# Altium PCB mitosis.PcbDoc (part 2 of 3)
Units mm, origin at the board's own origin, x right, y up, seen from the top; angles counter-clockwise.
Board outline 134.15 x 115.33 mm, 2 copper layers (Top Layer, Bottom Layer), stack 1.671 mm thick; 32 components, 34 nets, 456 pads, 4 vias.
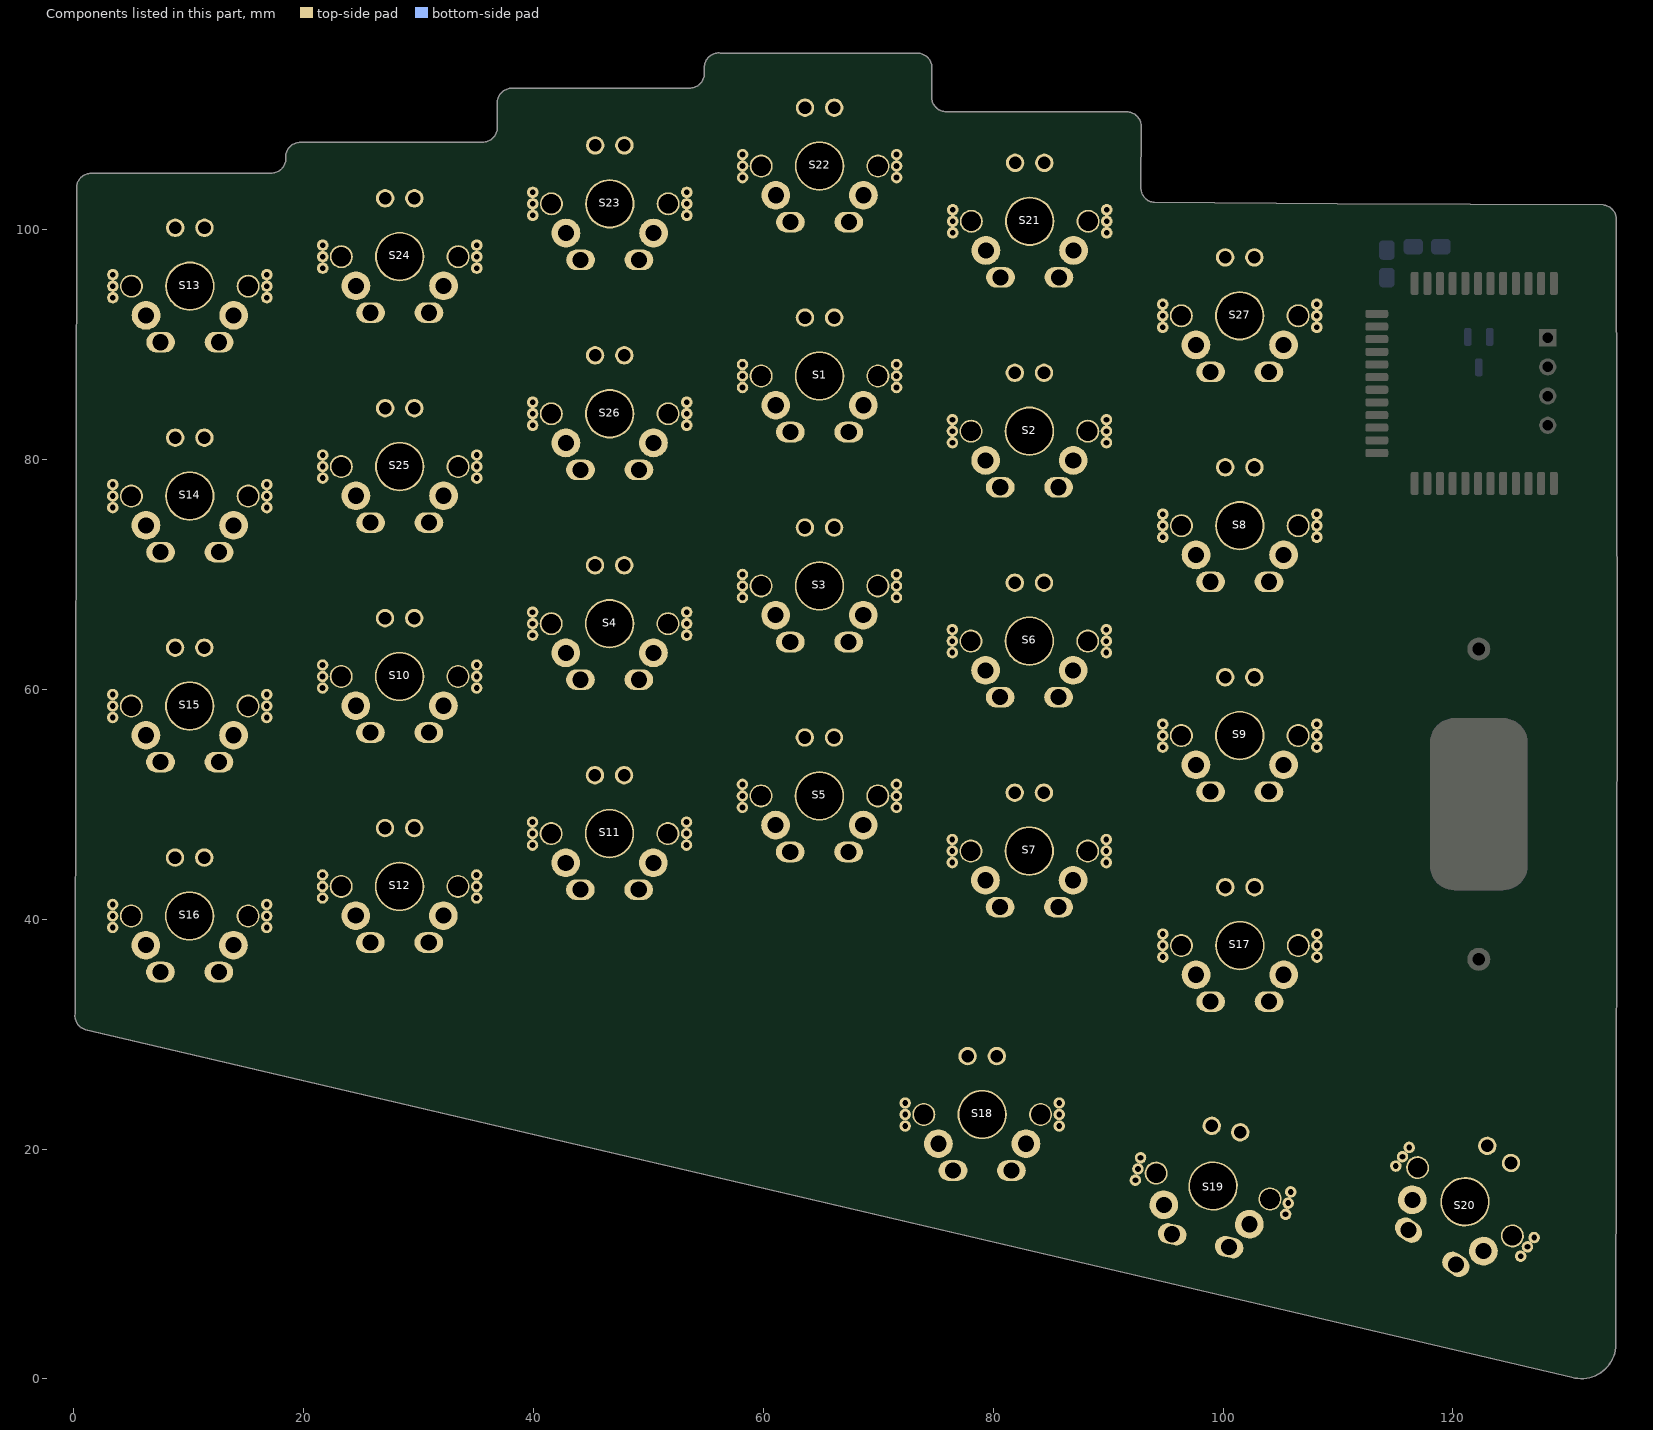
[diagram p2: the components of this part, seen from the top]

## Footprints (in the part's own frame and the unit in brackets; to place one, negate y for a bottom-side part, rotate by r counter-clockwise, add the part's x,y. Pads: shape width x height; smd on the part's side, far side on the other; paste and mask are expansions set on the pad) (continued)
cherry#8 [mm]
  round 1.6 hole 1.1: 0(-1.27,5.08) 0(1.27,5.08)
  round 4.3 hole 3.988: 0(0,0)
  round 2.5 hole 1.4: 1(-3.81,-2.54) 2(3.81,-2.54)
  oval 2.5x1.8 hole 1.4: 3(-2.54,-4.877) 4(2.54,-4.877)
  round 2 hole 1.702: 5(-5.08,0) 6(5.08,0)
  round 1 hole 0.5 mask+0.05: 7(-6.7,1) 8(6.7,1) 9(-6.7,0) 10(6.7,0) 11(-6.7,-1) 12(6.7,-1)
  Top Layer lines w1.1: -4.3,-1 -4.58,-1 ; 4.3,-1 4.58,-1 ; -6.7,-1 -5.08,-1 ; -6.7,-1 -5.08,-1 ; -6.7,-1 -5.08,-1 ; -6.7,-1 -5.08,-1 ; -6.7,-1 -5.08,-1 ; -6.7,-1 -5.08,-1 ; -6.7,-1 -5.08,-1 ; -6.7,-1 -5.08,-1 ; -6.7,-1 -6.7,0 ; -6.7,0 -5.08,0 ; -6.7,0 -5.08,0 ; -6.7,0 -5.08,0 ; -6.7,0 -5.08,0 ; -6.7,0 -5.08,0 ; -6.7,0 -5.08,0 ; -6.7,0 -5.08,0 ; -6.7,0 -5.08,0 ; -6.7,0 -6.7,1 ; -6.7,1 -6.7,1 ; -6.7,1 -6.7,1 ; -6.7,1 -6.7,1 ; -6.7,1 -6.7,1 ; -6.7,1 -6.7,1 ; -6.7,1 -6.7,1 ; -6.7,1 -6.7,1 ; -6.7,1 -6.7,1 ; -6.7,1 -5.08,1 ; -6.7,1 -5.08,1 ; -6.7,1 -5.08,1 ; -6.7,1 -5.08,1 ; -5.08,-1 -4.58,-1 ; -5.08,-1 -4.58,-1 ; -5.08,-1 -4.58,-1 ; -5.08,-1 -4.58,-1 ; -5.08,-1 -4.58,-1 ; -5.08,-1 -4.58,-1 ; -5.08,-1 -4.58,-1 ; -5.08,-1 -4.58,-1 ; -5.08,1 -3.7,1 ; -5.08,1 -3.7,1 ; -3.7,-1.9 -3.7,0 ; -3.7,-1.9 -3.7,0 ; -3.7,-1.9 -3.7,0 ; -3.7,-1.9 -3.7,0 ; -3.7,-1.9 -3.7,0 ; -3.7,-1.9 -3.7,0 ; -3.7,-1.9 -3.7,0 ; -3.7,-1.9 -3.7,0 ; -3.7,0 -3.7,1 ; -3.7,0 -3.7,1 ; -3.7,0 -3.7,1 ; -3.7,0 -3.7,1 ; -3.7,0 -3.7,1 ; -3.7,0 -3.7,1 ; -3.7,0 -3.7,1 ; -3.7,0 -3.7,1 ; 3.7,-1.9 3.7,0 ; 3.7,-1.9 3.7,0 ; 3.7,-1.9 3.7,0 ; 3.7,-1.9 3.7,0 ; 3.7,-1.9 3.7,0 ; 3.7,-1.9 3.7,0 ; 3.7,-1.9 3.7,0 ; 3.7,-1.9 3.7,0 ; 3.7,0 3.7,1 ; 3.7,0 3.7,1 ; 3.7,0 3.7,1 ; 3.7,0 3.7,1 ; 3.7,0 3.7,1 ; 3.7,0 3.7,1 ; 3.7,0 3.7,1 ; 3.7,0 3.7,1 ; 3.7,1 5.08,1 ; 3.7,1 5.08,1 ; 3.7,1 5.08,1 ; 3.7,1 5.08,1 ; 3.7,1 5.08,1 ; 3.7,1 5.08,1 ; 3.7,1 5.08,1 ; 3.7,1 5.08,1 ; 4.58,-1 5.08,-1 ; 4.58,-1 5.08,-1 ; 4.58,-1 5.08,-1 ; 4.58,-1 5.08,-1 ; 4.58,-1 5.08,-1 ; 4.58,-1 5.08,-1 ; 4.58,-1 5.08,-1 ; 4.58,-1 5.08,-1 ; 5.08,-1 6.3,-1 ; 5.08,-1 6.3,-1 ; 5.08,-1 6.3,-1 ; 5.08,-1 6.3,-1 ; 5.08,-1 6.3,-1 ; 5.08,-1 6.3,-1 ; 5.08,-1 6.3,-1 ; 5.08,-1 6.3,-1 ; 5.08,0 6.7,0 ; 5.08,0 6.7,0 ; 5.08,0 6.7,0 ; 5.08,0 6.7,0 ; 5.08,0 6.7,0 ; 5.08,0 6.7,0 ; 5.08,0 6.7,0 ; 5.08,0 6.7,0 ; 5.08,1 6.7,1 ; 5.08,1 6.7,1 ; 5.08,1 6.7,1 ; 5.08,1 6.7,1 ; 5.08,1 6.7,1 ; 5.08,1 6.7,1 ; 5.08,1 6.7,1 ; 5.08,1 6.7,1 ; 6.3,-1 6.7,-1 ; 6.3,-1 6.7,-1 ; 6.3,-1 6.7,-1 ; 6.3,-1 6.7,-1 ; 6.3,-1 6.7,-1 ; 6.3,-1 6.7,-1 ; 6.3,-1 6.7,-1 ; 6.3,-1 6.7,-1 ; 6.7,-1 6.7,0 ; 6.7,0 6.7,1
  Top Layer lines w1.7: -5.08,0 -4.58,-1 -3.81,-2.54 -2.54,-4.877 ; 2.54,-4.877 3.81,-2.54 4.58,-1 5.08,0
  Bottom Layer lines w1.1: -4.3,-1 -4.58,-1 ; 4.3,-1 4.58,-1 ; -6.7,-1 -5.08,-1 ; -6.7,-1 -5.08,-1 ; -6.7,-1 -5.08,-1 ; -6.7,-1 -5.08,-1 ; -6.7,-1 -5.08,-1 ; -6.7,-1 -5.08,-1 ; -6.7,-1 -5.08,-1 ; -6.7,-1 -5.08,-1 ; -6.7,-1 -6.7,0 ; -6.7,0 -5.08,0 ; -6.7,0 -5.08,0 ; -6.7,0 -5.08,0 ; -6.7,0 -5.08,0 ; -6.7,0 -5.08,0 ; -6.7,0 -5.08,0 ; -6.7,0 -5.08,0 ; -6.7,0 -5.08,0 ; -6.7,0 -6.7,1 ; -6.7,1 -6.7,1 ; -6.7,1 -6.7,1 ; -6.7,1 -6.7,1 ; -6.7,1 -6.7,1 ; -6.7,1 -6.7,1 ; -6.7,1 -6.7,1 ; -6.7,1 -6.7,1 ; -6.7,1 -6.7,1 ; -6.7,1 -5.08,1 ; -6.7,1 -5.08,1 ; -5.08,-1 -4.58,-1 ; -5.08,-1 -4.58,-1 ; -5.08,-1 -4.58,-1 ; -5.08,-1 -4.58,-1 ; -5.08,-1 -4.58,-1 ; -5.08,-1 -4.58,-1 ; -5.08,-1 -4.58,-1 ; -5.08,-1 -4.58,-1 ; -5.08,1 -3.7,1 ; -5.08,1 -3.7,1 ; -3.7,-1.9 -3.7,0 ; -3.7,-1.9 -3.7,0 ; -3.7,-1.9 -3.7,0 ; -3.7,-1.9 -3.7,0 ; -3.7,-1.9 -3.7,0 ; -3.7,-1.9 -3.7,0 ; -3.7,-1.9 -3.7,0 ; -3.7,-1.9 -3.7,0 ; -3.7,0 -3.7,1 ; -3.7,0 -3.7,1 ; -3.7,0 -3.7,1 ; -3.7,0 -3.7,1 ; -3.7,0 -3.7,1 ; -3.7,0 -3.7,1 ; -3.7,0 -3.7,1 ; -3.7,0 -3.7,1 ; 3.7,-1.9 3.7,0 ; 3.7,-1.9 3.7,0 ; 3.7,-1.9 3.7,0 ; 3.7,-1.9 3.7,0 ; 3.7,-1.9 3.7,0 ; 3.7,-1.9 3.7,0 ; 3.7,-1.9 3.7,0 ; 3.7,-1.9 3.7,0 ; 3.7,0 3.7,1 ; 3.7,0 3.7,1 ; 3.7,0 3.7,1 ; 3.7,0 3.7,1 ; 3.7,0 3.7,1 ; 3.7,0 3.7,1 ; 3.7,0 3.7,1 ; 3.7,0 3.7,1 ; 3.7,1 5.08,1 ; 3.7,1 5.08,1 ; 3.7,1 5.08,1 ; 3.7,1 5.08,1 ; 3.7,1 5.08,1 ; 3.7,1 5.08,1 ; 3.7,1 5.08,1 ; 3.7,1 5.08,1 ; 4.58,-1 5.08,-1 ; 4.58,-1 5.08,-1 ; 4.58,-1 5.08,-1 ; 4.58,-1 5.08,-1 ; 4.58,-1 5.08,-1 ; 4.58,-1 5.08,-1 ; 4.58,-1 5.08,-1 ; 4.58,-1 5.08,-1 ; 5.08,-1 6.7,-1 ; 5.08,-1 6.7,-1 ; 5.08,-1 6.7,-1 ; 5.08,-1 6.7,-1 ; 5.08,-1 6.7,-1 ; 5.08,-1 6.7,-1 ; 5.08,-1 6.7,-1 ; 5.08,-1 6.7,-1 ; 5.08,0 6.7,0 ; 5.08,0 6.7,0 ; 5.08,0 6.7,0 ; 5.08,0 6.7,0 ; 5.08,0 6.7,0 ; 5.08,0 6.7,0 ; 5.08,0 6.7,0 ; 5.08,0 6.7,0 ; 5.08,1 6.7,1 ; 5.08,1 6.7,1 ; 5.08,1 6.7,1 ; 5.08,1 6.7,1 ; 5.08,1 6.7,1 ; 5.08,1 6.7,1 ; 5.08,1 6.7,1 ; 5.08,1 6.7,1 ; 6.7,-1 6.7,0 ; 6.7,0 6.7,1
  Bottom Layer lines w1.7: -5.08,0 -4.58,-1 -3.81,-2.54 -2.54,-4.877 ; 2.54,-4.877 3.81,-2.54 4.58,-1 5.08,0
  Keep-Out Layer board cut-out: -7,-2.2 -7,-6.6 -6.97,-6.753 -6.883,-6.883 -6.753,-6.97 -6.6,-7 -6.6,-7 6.6,-7 6.753,-6.97 6.883,-6.883 6.97,-6.753 7,-6.6 7,-6.6 7,-2.2 6.96,-2.026 6.849,-1.887 6.689,-1.81 6.511,-1.81 6.351,-1.887 6.24,-2.026 6.2,-2.2 6.2,-2.2 6.2,-6.2 6.2,-6.2 -6.2,-6.2 -6.2,-6.2 -6.2,-2.2 -6.24,-2.026 -6.351,-1.887 -6.511,-1.81 -6.689,-1.81 -6.849,-1.887 -6.96,-2.026 -7,-2.2
  Keep-Out Layer board cut-out: -7,2.2 -7,6.6 -6.97,6.753 -6.883,6.883 -6.753,6.97 -6.6,7 -6.6,7 6.6,7 6.753,6.97 6.883,6.883 6.97,6.753 7,6.6 7,6.6 7,2.2 6.96,2.026 6.849,1.887 6.689,1.81 6.511,1.81 6.351,1.887 6.24,2.026 6.2,2.2 6.2,2.2 6.2,6.2 6.2,6.2 -6.2,6.2 -6.2,6.2 -6.2,2.2 -6.24,2.026 -6.351,1.887 -6.511,1.81 -6.689,1.81 -6.849,1.887 -6.96,2.026 -7,2.2
  Keep-Out Layer lines w0.1: -7,-6.6 ccw(c-6.6,-6.6) -6.6,-7 6.6,-7 ccw(c6.6,-6.6) 7,-6.6 7,-2.2 ccw(c6.6,-2.2) 6.2,-2.2 6.2,-6.2 -6.2,-6.2 -6.2,-2.2 ccw(c-6.6,-2.2) -7,-2.2 -7,-6.6 ; -7,2.2 ccw(c-6.6,2.2) -6.2,2.2 -6.2,6.2 6.2,6.2 6.2,2.2 ccw(c6.6,2.2) 7,2.2 7,6.6 ccw(c6.6,6.6) 6.6,7 -6.6,7 ccw(c-6.6,6.6) -7,6.6 -7,2.2
  body extent -9,-9 9,9, height 23
cherry#9 [mm]
  round 1.6 hole 1.1: 0(-1.27,5.08) 0(1.27,5.08)
  round 4.3 hole 3.988: 0(0,0)
  round 2.5 hole 1.4: 1(-3.81,-2.54) 2(3.81,-2.54)
  oval 2.5x1.8 hole 1.4: 3(-2.54,-4.877) 4(2.54,-4.877)
  round 2 hole 1.702: 5(-5.08,0) 6(5.08,0)
  round 1 hole 0.5 mask+0.05: 7(-6.7,1) 8(6.7,1) 9(-6.7,0) 10(6.7,0) 11(-6.7,-1) 12(6.7,-1)
  Top Layer lines w1.1: -4.3,-1 -4.58,-1 ; 4.3,-1 4.58,-1 ; -6.7,-1 -5.08,-1 ; -6.7,-1 -5.08,-1 ; -6.7,-1 -5.08,-1 ; -6.7,-1 -5.08,-1 ; -6.7,-1 -5.08,-1 ; -6.7,-1 -5.08,-1 ; -6.7,-1 -5.08,-1 ; -6.7,-1 -5.08,-1 ; -6.7,-1 -6.7,0 ; -6.7,0 -5.08,0 ; -6.7,0 -5.08,0 ; -6.7,0 -5.08,0 ; -6.7,0 -5.08,0 ; -6.7,0 -5.08,0 ; -6.7,0 -5.08,0 ; -6.7,0 -5.08,0 ; -6.7,0 -5.08,0 ; -6.7,0 -6.7,1 ; -6.7,1 -5.08,1 ; -6.7,1 -5.08,1 ; -6.7,1 -5.08,1 ; -6.7,1 -5.08,1 ; -6.7,1 -5.08,1 ; -6.7,1 -5.08,1 ; -6.7,1 -5.08,1 ; -6.7,1 -5.08,1 ; -5.08,-1 -4.58,-1 ; -5.08,-1 -4.58,-1 ; -5.08,-1 -4.58,-1 ; -5.08,-1 -4.58,-1 ; -5.08,-1 -4.58,-1 ; -5.08,-1 -4.58,-1 ; -5.08,-1 -4.58,-1 ; -5.08,-1 -4.58,-1 ; -5.08,1 -3.7,1 ; -5.08,1 -3.7,1 ; -5.08,1 -3.7,1 ; -5.08,1 -3.7,1 ; -5.08,1 -3.7,1 ; -5.08,1 -3.7,1 ; -5.08,1 -3.7,1 ; -5.08,1 -3.7,1 ; -3.7,-1.9 -3.7,0 ; -3.7,-1.9 -3.7,0 ; -3.7,-1.9 -3.7,0 ; -3.7,-1.9 -3.7,0 ; -3.7,-1.9 -3.7,0 ; -3.7,-1.9 -3.7,0 ; -3.7,-1.9 -3.7,0 ; -3.7,-1.9 -3.7,0 ; -3.7,0 -3.7,1 ; -3.7,0 -3.7,1 ; -3.7,0 -3.7,1 ; -3.7,0 -3.7,1 ; -3.7,0 -3.7,1 ; -3.7,0 -3.7,1 ; -3.7,0 -3.7,1 ; -3.7,0 -3.7,1 ; 3.7,-1.9 3.7,0 ; 3.7,-1.9 3.7,0 ; 3.7,-1.9 3.7,0 ; 3.7,-1.9 3.7,0 ; 3.7,-1.9 3.7,0 ; 3.7,-1.9 3.7,0 ; 3.7,-1.9 3.7,0 ; 3.7,-1.9 3.7,0 ; 3.7,0 3.7,1 ; 3.7,0 3.7,1 ; 3.7,0 3.7,1 ; 3.7,0 3.7,1 ; 3.7,0 3.7,1 ; 3.7,0 3.7,1 ; 3.7,0 3.7,1 ; 3.7,0 3.7,1 ; 3.7,1 5.08,1 ; 3.7,1 5.08,1 ; 3.7,1 5.08,1 ; 3.7,1 5.08,1 ; 3.7,1 5.08,1 ; 3.7,1 5.08,1 ; 3.7,1 5.08,1 ; 3.7,1 5.08,1 ; 4.58,-1 5.08,-1 ; 4.58,-1 5.08,-1 ; 4.58,-1 5.08,-1 ; 4.58,-1 5.08,-1 ; 4.58,-1 5.08,-1 ; 4.58,-1 5.08,-1 ; 4.58,-1 5.08,-1 ; 4.58,-1 5.08,-1 ; 5.08,-1 6.7,-1 ; 5.08,-1 6.7,-1 ; 5.08,-1 6.7,-1 ; 5.08,-1 6.7,-1 ; 5.08,-1 6.7,-1 ; 5.08,-1 6.7,-1 ; 5.08,-1 6.7,-1 ; 5.08,-1 6.7,-1 ; 5.08,0 6.7,0 ; 5.08,0 6.7,0 ; 5.08,0 6.7,0 ; 5.08,0 6.7,0 ; 5.08,0 6.7,0 ; 5.08,0 6.7,0 ; 5.08,0 6.7,0 ; 5.08,0 6.7,0 ; 5.08,1 6.7,1 ; 5.08,1 6.7,1 ; 5.08,1 6.7,1 ; 5.08,1 6.7,1 ; 5.08,1 6.7,1 ; 5.08,1 6.7,1 ; 5.08,1 6.7,1 ; 5.08,1 6.7,1 ; 6.7,-1 6.7,0 ; 6.7,0 6.7,1
  Top Layer lines w1.7: -5.08,0 -4.58,-1 -3.81,-2.54 -2.54,-4.877 ; 2.54,-4.877 3.81,-2.54 4.58,-1 5.08,0
  Bottom Layer lines w1.1: -4.3,-1 -4.58,-1 ; 4.3,-1 4.58,-1 ; -6.7,-1 -5.08,-1 ; -6.7,-1 -5.08,-1 ; -6.7,-1 -5.08,-1 ; -6.7,-1 -5.08,-1 ; -6.7,-1 -5.08,-1 ; -6.7,-1 -5.08,-1 ; -6.7,-1 -5.08,-1 ; -6.7,-1 -5.08,-1 ; -6.7,-1 -6.7,0 ; -6.7,-1 -6.7,-1 ; -6.7,0 -5.08,0 ; -6.7,0 -5.08,0 ; -6.7,0 -5.08,0 ; -6.7,0 -5.08,0 ; -6.7,0 -5.08,0 ; -6.7,0 -5.08,0 ; -6.7,0 -5.08,0 ; -6.7,0 -5.08,0 ; -6.7,0 -6.7,1 ; -6.7,1 -5.08,1 ; -6.7,1 -5.08,1 ; -6.7,1 -5.08,1 ; -6.7,1 -5.08,1 ; -6.7,1 -5.08,1 ; -6.7,1 -5.08,1 ; -6.7,1 -5.08,1 ; -6.7,1 -5.08,1 ; -5.08,-1 -4.58,-1 ; -5.08,-1 -4.58,-1 ; -5.08,-1 -4.58,-1 ; -5.08,-1 -4.58,-1 ; -5.08,-1 -4.58,-1 ; -5.08,-1 -4.58,-1 ; -5.08,-1 -4.58,-1 ; -5.08,-1 -4.58,-1 ; -5.08,1 -3.7,1 ; -5.08,1 -3.7,1 ; -5.08,1 -3.7,1 ; -5.08,1 -3.7,1 ; -5.08,1 -3.7,1 ; -5.08,1 -3.7,1 ; -5.08,1 -3.7,1 ; -5.08,1 -3.7,1 ; -3.7,-1.9 -3.7,0 ; -3.7,-1.9 -3.7,0 ; -3.7,-1.9 -3.7,0 ; -3.7,-1.9 -3.7,0 ; -3.7,-1.9 -3.7,0 ; -3.7,-1.9 -3.7,0 ; -3.7,-1.9 -3.7,0 ; -3.7,-1.9 -3.7,0 ; -3.7,0 -3.7,1 ; -3.7,0 -3.7,1 ; -3.7,0 -3.7,1 ; -3.7,0 -3.7,1 ; -3.7,0 -3.7,1 ; -3.7,0 -3.7,1 ; -3.7,0 -3.7,1 ; -3.7,0 -3.7,1 ; 3.7,-1.9 3.7,0 ; 3.7,-1.9 3.7,0 ; 3.7,-1.9 3.7,0 ; 3.7,-1.9 3.7,0 ; 3.7,-1.9 3.7,0 ; 3.7,-1.9 3.7,0 ; 3.7,-1.9 3.7,0 ; 3.7,-1.9 3.7,0 ; 3.7,0 3.7,1 ; 3.7,0 3.7,1 ; 3.7,0 3.7,1 ; 3.7,0 3.7,1 ; 3.7,0 3.7,1 ; 3.7,0 3.7,1 ; 3.7,0 3.7,1 ; 3.7,0 3.7,1 ; 3.7,1 5.08,1 ; 3.7,1 5.08,1 ; 3.7,1 5.08,1 ; 3.7,1 5.08,1 ; 3.7,1 5.08,1 ; 3.7,1 5.08,1 ; 3.7,1 5.08,1 ; 3.7,1 5.08,1 ; 4.58,-1 5.08,-1 ; 4.58,-1 5.08,-1 ; 4.58,-1 5.08,-1 ; 4.58,-1 5.08,-1 ; 4.58,-1 5.08,-1 ; 4.58,-1 5.08,-1 ; 4.58,-1 5.08,-1 ; 4.58,-1 5.08,-1 ; 5.08,-1 6.7,-1 ; 5.08,-1 6.7,-1 ; 5.08,-1 6.7,-1 ; 5.08,-1 6.7,-1 ; 5.08,-1 6.7,-1 ; 5.08,-1 6.7,-1 ; 5.08,-1 6.7,-1 ; 5.08,-1 6.7,-1 ; 5.08,0 6.7,0 ; 5.08,0 6.7,0 ; 5.08,0 6.7,0 ; 5.08,0 6.7,0 ; 5.08,0 6.7,0 ; 5.08,0 6.7,0 ; 5.08,0 6.7,0 ; 5.08,0 6.7,0 ; 5.08,1 6.7,1 ; 5.08,1 6.7,1 ; 5.08,1 6.7,1 ; 5.08,1 6.7,1 ; 5.08,1 6.7,1 ; 5.08,1 6.7,1 ; 5.08,1 6.7,1 ; 5.08,1 6.7,1 ; 6.7,-1 6.7,0 ; 6.7,0 6.7,1
  Bottom Layer lines w1.7: -5.08,0 -4.58,-1 -3.81,-2.54 -2.54,-4.877 ; 2.54,-4.877 3.81,-2.54 4.58,-1 5.08,0
  Keep-Out Layer board cut-out: -7,2.2 -7,6.6 -6.97,6.753 -6.883,6.883 -6.753,6.97 -6.6,7 -6.6,7 6.6,7 6.753,6.97 6.883,6.883 6.97,6.753 7,6.6 7,6.6 7,2.2 6.96,2.026 6.849,1.887 6.689,1.81 6.511,1.81 6.351,1.887 6.24,2.026 6.2,2.2 6.2,2.2 6.2,6.2 6.2,6.2 -6.2,6.2 -6.2,6.2 -6.2,2.2 -6.24,2.026 -6.351,1.887 -6.511,1.81 -6.689,1.81 -6.849,1.887 -6.96,2.026 -7,2.2
  Keep-Out Layer board cut-out: -7,-2.2 -7,-6.6 -6.97,-6.753 -6.883,-6.883 -6.753,-6.97 -6.6,-7 -6.6,-7 6.6,-7 6.753,-6.97 6.883,-6.883 6.97,-6.753 7,-6.6 7,-6.6 7,-2.2 6.96,-2.026 6.849,-1.887 6.689,-1.81 6.511,-1.81 6.351,-1.887 6.24,-2.026 6.2,-2.2 6.2,-2.2 6.2,-6.2 6.2,-6.2 -6.2,-6.2 -6.2,-6.2 -6.2,-2.2 -6.24,-2.026 -6.351,-1.887 -6.511,-1.81 -6.689,-1.81 -6.849,-1.887 -6.96,-2.026 -7,-2.2
  Keep-Out Layer lines w0.1: -7,-6.6 ccw(c-6.6,-6.6) -6.6,-7 6.6,-7 ccw(c6.6,-6.6) 7,-6.6 7,-2.2 ccw(c6.6,-2.2) 6.2,-2.2 6.2,-6.2 -6.2,-6.2 -6.2,-2.2 ccw(c-6.6,-2.2) -7,-2.2 -7,-6.6 ; -7,2.2 ccw(c-6.6,2.2) -6.2,2.2 -6.2,6.2 6.2,6.2 6.2,2.2 ccw(c6.6,2.2) 7,2.2 7,6.6 ccw(c6.6,6.6) 6.6,7 -6.6,7 ccw(c-6.6,6.6) -7,6.6 -7,2.2
  body extent -9,-9 9,9, height 23
cherry#10 [mm]
  round 1.6 hole 1.1: 0(-1.27,5.08) 0(1.27,5.08)
  round 4.3 hole 3.988: 0(0,0)
  round 2.5 hole 1.4: 1(-3.81,-2.54) 2(3.81,-2.54)
  oval 2.5x1.8 hole 1.4: 3(-2.54,-4.877) 4(2.54,-4.877)
  round 2 hole 1.702: 5(-5.08,0) 6(5.08,0)
  round 1 hole 0.5 mask+0.05: 7(-6.7,1) 8(6.7,1) 9(-6.7,0) 10(6.7,0) 11(-6.7,-1) 12(6.7,-1)
  Top Layer lines w1.1: -4.3,-1 -4.58,-1 ; 4.3,-1 4.58,-1 ; -6.7,-1 -5.08,-1 ; -6.7,-1 -5.08,-1 ; -6.7,-1 -5.08,-1 ; -6.7,-1 -5.08,-1 ; -6.7,-1 -5.08,-1 ; -6.7,-1 -5.08,-1 ; -6.7,-1 -5.08,-1 ; -6.7,-1 -5.08,-1 ; -6.7,-1 -6.7,0 ; -6.7,0 -5.08,0 ; -6.7,0 -5.08,0 ; -6.7,0 -5.08,0 ; -6.7,0 -5.08,0 ; -6.7,0 -5.08,0 ; -6.7,0 -5.08,0 ; -6.7,0 -5.08,0 ; -6.7,0 -5.08,0 ; -6.7,0 -6.7,1 ; -6.7,1 -5.08,1 ; -6.7,1 -5.08,1 ; -6.7,1 -5.08,1 ; -6.7,1 -5.08,1 ; -6.7,1 -5.08,1 ; -6.7,1 -5.08,1 ; -6.7,1 -5.08,1 ; -6.7,1 -5.08,1 ; -5.08,-1 -4.58,-1 ; -5.08,-1 -4.58,-1 ; -5.08,-1 -4.58,-1 ; -5.08,-1 -4.58,-1 ; -5.08,-1 -4.58,-1 ; -5.08,-1 -4.58,-1 ; -5.08,-1 -4.58,-1 ; -5.08,-1 -4.58,-1 ; -5.08,1 -3.7,1 ; -5.08,1 -3.7,1 ; -5.08,1 -3.7,1 ; -5.08,1 -3.7,1 ; -5.08,1 -3.7,1 ; -5.08,1 -3.7,1 ; -5.08,1 -3.7,1 ; -5.08,1 -3.7,1 ; -3.7,-1.9 -3.7,0 ; -3.7,-1.9 -3.7,0 ; -3.7,-1.9 -3.7,0 ; -3.7,-1.9 -3.7,0 ; -3.7,-1.9 -3.7,0 ; -3.7,-1.9 -3.7,0 ; -3.7,-1.9 -3.7,0 ; -3.7,-1.9 -3.7,0 ; -3.7,0 -3.7,1 ; -3.7,0 -3.7,1 ; -3.7,0 -3.7,1 ; -3.7,0 -3.7,1 ; -3.7,0 -3.7,1 ; -3.7,0 -3.7,1 ; -3.7,0 -3.7,1 ; -3.7,0 -3.7,1 ; 3.7,-1.9 3.7,0 ; 3.7,-1.9 3.7,0 ; 3.7,-1.9 3.7,0 ; 3.7,-1.9 3.7,0 ; 3.7,-1.9 3.7,0 ; 3.7,-1.9 3.7,0 ; 3.7,-1.9 3.7,0 ; 3.7,-1.9 3.7,0 ; 3.7,0 3.7,1 ; 3.7,0 3.7,1 ; 3.7,0 3.7,1 ; 3.7,0 3.7,1 ; 3.7,0 3.7,1 ; 3.7,0 3.7,1 ; 3.7,0 3.7,1 ; 3.7,0 3.7,1 ; 3.7,1 5.08,1 ; 3.7,1 5.08,1 ; 3.7,1 5.08,1 ; 3.7,1 5.08,1 ; 3.7,1 5.08,1 ; 3.7,1 5.08,1 ; 3.7,1 5.08,1 ; 3.7,1 5.08,1 ; 4.58,-1 5.08,-1 ; 4.58,-1 5.08,-1 ; 4.58,-1 5.08,-1 ; 4.58,-1 5.08,-1 ; 4.58,-1 5.08,-1 ; 4.58,-1 5.08,-1 ; 4.58,-1 5.08,-1 ; 4.58,-1 5.08,-1 ; 5.08,-1 6.7,-1 ; 5.08,-1 6.7,-1 ; 5.08,-1 6.7,-1 ; 5.08,-1 6.7,-1 ; 5.08,-1 6.7,-1 ; 5.08,-1 6.7,-1 ; 5.08,-1 6.7,-1 ; 5.08,-1 6.7,-1 ; 5.08,1 6.7,1 ; 5.08,1 6.7,1 ; 5.08,1 6.7,1 ; 5.08,1 6.7,1 ; 5.08,1 6.7,1 ; 5.08,1 6.7,1 ; 5.08,1 6.7,1 ; 5.08,1 6.7,1 ; 6.3,0 6.7,0 ; 6.3,0 6.7,0 ; 6.3,0 6.7,0 ; 6.3,0 6.7,0 ; 6.3,0 6.7,0 ; 6.3,0 6.7,0 ; 6.3,0 6.7,0 ; 6.3,0 6.7,0 ; 6.3,0 5.08,0 6.3,0 ; 6.7,-1 6.7,-0.4 6.7,0 ; 6.7,0 6.7,1
  Top Layer lines w1.7: -5.08,0 -4.58,-1 -3.81,-2.54 -2.54,-4.877 ; 2.54,-4.877 3.81,-2.54 4.58,-1 5.08,0
  Bottom Layer lines w1.1: -4.3,-1 -4.58,-1 ; 4.3,-1 4.58,-1 ; -6.7,-1 -5.08,-1 ; -6.7,-1 -5.08,-1 ; -6.7,-1 -5.08,-1 ; -6.7,-1 -5.08,-1 ; -6.7,-1 -5.08,-1 ; -6.7,-1 -5.08,-1 ; -6.7,-1 -5.08,-1 ; -6.7,-1 -5.08,-1 ; -6.7,-1 -6.7,0 ; -6.7,0 -5.08,0 ; -6.7,0 -5.08,0 ; -6.7,0 -5.08,0 ; -6.7,0 -5.08,0 ; -6.7,0 -5.08,0 ; -6.7,0 -5.08,0 ; -6.7,0 -5.08,0 ; -6.7,0 -5.08,0 ; -6.7,0 -6.7,1 ; -6.7,1 -5.08,1 ; -6.7,1 -5.08,1 ; -6.7,1 -5.08,1 ; -6.7,1 -5.08,1 ; -6.7,1 -5.08,1 ; -6.7,1 -5.08,1 ; -6.7,1 -5.08,1 ; -6.7,1 -5.08,1 ; -5.08,-1 -4.58,-1 ; -5.08,-1 -4.58,-1 ; -5.08,-1 -4.58,-1 ; -5.08,-1 -4.58,-1 ; -5.08,-1 -4.58,-1 ; -5.08,-1 -4.58,-1 ; -5.08,-1 -4.58,-1 ; -5.08,-1 -4.58,-1 ; -5.08,1 -3.7,1 ; -5.08,1 -3.7,1 ; -5.08,1 -3.7,1 ; -5.08,1 -3.7,1 ; -5.08,1 -3.7,1 ; -5.08,1 -3.7,1 ; -5.08,1 -3.7,1 ; -5.08,1 -3.7,1 ; -3.7,-1.9 -3.7,0 ; -3.7,-1.9 -3.7,0 ; -3.7,-1.9 -3.7,0 ; -3.7,-1.9 -3.7,0 ; -3.7,-1.9 -3.7,0 ; -3.7,-1.9 -3.7,0 ; -3.7,-1.9 -3.7,0 ; -3.7,-1.9 -3.7,0 ; -3.7,0 -3.7,1 ; -3.7,0 -3.7,1 ; -3.7,0 -3.7,1 ; -3.7,0 -3.7,1 ; -3.7,0 -3.7,1 ; -3.7,0 -3.7,1 ; -3.7,0 -3.7,1 ; -3.7,0 -3.7,1 ; 3.7,-1.9 3.7,0 ; 3.7,-1.9 3.7,0 ; 3.7,-1.9 3.7,0 ; 3.7,-1.9 3.7,0 ; 3.7,-1.9 3.7,0 ; 3.7,-1.9 3.7,0 ; 3.7,-1.9 3.7,0 ; 3.7,-1.9 3.7,0 ; 3.7,0 3.7,1 ; 3.7,0 3.7,1 ; 3.7,0 3.7,1 ; 3.7,0 3.7,1 ; 3.7,0 3.7,1 ; 3.7,0 3.7,1 ; 3.7,0 3.7,1 ; 3.7,0 3.7,1 ; 3.7,1 5.08,1 ; 3.7,1 5.08,1 ; 3.7,1 5.08,1 ; 3.7,1 5.08,1 ; 3.7,1 5.08,1 ; 3.7,1 5.08,1 ; 3.7,1 5.08,1 ; 3.7,1 5.08,1 ; 4.58,-1 5.08,-1 ; 4.58,-1 5.08,-1 ; 4.58,-1 5.08,-1 ; 4.58,-1 5.08,-1 ; 4.58,-1 5.08,-1 ; 4.58,-1 5.08,-1 ; 4.58,-1 5.08,-1 ; 4.58,-1 5.08,-1 ; 5.08,-1 6.7,-1 ; 5.08,-1 6.7,-1 ; 5.08,-1 6.7,-1 ; 5.08,-1 6.7,-1 ; 5.08,-1 6.7,-1 ; 5.08,-1 6.7,-1 ; 5.08,-1 6.7,-1 ; 5.08,-1 6.7,-1 ; 5.08,0 6.7,0 ; 5.08,0 6.7,0 ; 5.08,0 6.7,0 ; 5.08,0 6.7,0 ; 5.08,0 6.7,0 ; 5.08,0 6.7,0 ; 5.08,0 6.7,0 ; 5.08,0 6.7,0 ; 5.08,1 6.7,1 ; 5.08,1 6.7,1 ; 5.08,1 6.7,1 ; 5.08,1 6.7,1 ; 5.08,1 6.7,1 ; 5.08,1 6.7,1 ; 5.08,1 6.7,1 ; 5.08,1 6.7,1 ; 6.7,-1 6.7,0 ; 6.7,0 6.7,1
  Bottom Layer lines w1.7: -5.08,0 -4.58,-1 -3.81,-2.54 -2.54,-4.877 ; 2.54,-4.877 3.81,-2.54 4.58,-1 5.08,0
  Keep-Out Layer board cut-out: -7,-2.2 -7,-6.6 -6.97,-6.753 -6.883,-6.883 -6.753,-6.97 -6.6,-7 -6.6,-7 6.6,-7 6.753,-6.97 6.883,-6.883 6.97,-6.753 7,-6.6 7,-6.6 7,-2.2 6.96,-2.026 6.849,-1.887 6.689,-1.81 6.511,-1.81 6.351,-1.887 6.24,-2.026 6.2,-2.2 6.2,-2.2 6.2,-6.2 6.2,-6.2 -6.2,-6.2 -6.2,-6.2 -6.2,-2.2 -6.24,-2.026 -6.351,-1.887 -6.511,-1.81 -6.689,-1.81 -6.849,-1.887 -6.96,-2.026 -7,-2.2
  Keep-Out Layer board cut-out: -7,2.2 -7,6.6 -6.97,6.753 -6.883,6.883 -6.753,6.97 -6.6,7 -6.6,7 6.6,7 6.753,6.97 6.883,6.883 6.97,6.753 7,6.6 7,6.6 7,2.2 6.96,2.026 6.849,1.887 6.689,1.81 6.511,1.81 6.351,1.887 6.24,2.026 6.2,2.2 6.2,2.2 6.2,6.2 6.2,6.2 -6.2,6.2 -6.2,6.2 -6.2,2.2 -6.24,2.026 -6.351,1.887 -6.511,1.81 -6.689,1.81 -6.849,1.887 -6.96,2.026 -7,2.2
  Keep-Out Layer lines w0.1: -7,-6.6 ccw(c-6.6,-6.6) -6.6,-7 6.6,-7 ccw(c6.6,-6.6) 7,-6.6 7,-2.2 ccw(c6.6,-2.2) 6.2,-2.2 6.2,-6.2 -6.2,-6.2 -6.2,-2.2 ccw(c-6.6,-2.2) -7,-2.2 -7,-6.6 ; -7,2.2 ccw(c-6.6,2.2) -6.2,2.2 -6.2,6.2 6.2,6.2 6.2,2.2 ccw(c6.6,2.2) 7,2.2 7,6.6 ccw(c6.6,6.6) 6.6,7 -6.6,7 ccw(c-6.6,6.6) -7,6.6 -7,2.2
  body extent -9,-9 9,9, height 23
cherry#11 [mm]
  round 1.6 hole 1.1: 0(-1.27,5.08) 0(1.27,5.08)
  round 4.3 hole 3.988: 0(0,0)
  round 2.5 hole 1.4: 1(-3.81,-2.54) 2(3.81,-2.54)
  oval 2.5x1.8 hole 1.4: 3(-2.54,-4.877) 4(2.54,-4.877)
  round 2 hole 1.702: 5(-5.08,0) 6(5.08,0)
  round 1 hole 0.5 mask+0.05: 7(-6.7,1) 8(6.7,1) 9(-6.7,0) 10(6.7,0) 11(-6.7,-1) 12(6.7,-1)
  Top Layer lines w1.1: -4.3,-1 -4.58,-1 ; 4.3,-1 4.58,-1 ; -6.7,-1 -6.7,-1 ; -6.7,-1 -6.7,-1 ; -6.7,-1 -5.08,-1 ; -6.7,-1 -5.08,-1 ; -6.7,-1 -6.7,-1 ; -6.7,-1 -6.7,-1 ; -6.7,-1 -5.08,-1 ; -6.7,-1 -5.08,-1 ; -6.7,-1 -6.7,0 ; -6.7,0 -5.08,0 ; -6.7,0 -5.08,0 ; -6.7,0 -5.08,0 ; -6.7,0 -5.08,0 ; -6.7,0 -6.7,1 ; -6.7,1 -5.08,1 ; -6.7,1 -5.08,1 ; -6.7,1 -5.08,1 ; -6.7,1 -5.08,1 ; -5.08,-1 -4.58,-1 ; -5.08,-1 -4.58,-1 ; -5.08,-1 -4.58,-1 ; -5.08,-1 -4.58,-1 ; -5.08,1 -5.08,1 ; -5.08,1 -5.08,1 ; -5.08,1 -5.08,1 ; -5.08,1 -5.08,1 ; -5.08,1 -3.7,1 ; -5.08,1 -3.7,1 ; -3.7,0 -3.7,0 ; -3.7,0 -3.7,-1.9 ; -3.7,0 -3.7,-1.9 ; -3.7,0 -3.7,-1.9 ; -3.7,0 -3.7,0 ; -3.7,0 -3.7,-1.9 ; -3.7,0 -3.7,0 ; -3.7,0 -3.7,-1.9 ; -3.7,0 -3.7,0 ; -3.7,0 -3.7,-1.9 ; -3.7,0 -3.7,-1.9 ; -3.7,0 -3.7,-1.9 ; -3.7,0 -3.7,1 ; 3.7,-1.9 3.7,0 ; 3.7,-1.9 3.7,0 ; 3.7,-1.9 3.7,0 ; 3.7,-1.9 3.7,0 ; 3.7,-1.9 3.7,0 ; 3.7,-1.9 3.7,0 ; 3.7,-1.9 3.7,0 ; 3.7,-1.9 3.7,0 ; 3.7,0 3.7,0 ; 3.7,0 3.7,0 ; 3.7,0 3.7,0 ; 3.7,0 3.7,0 ; 3.7,0 3.7,0 ; 3.7,0 3.7,0 ; 3.7,0 3.7,0 ; 3.7,0 3.7,0 ; 3.7,0 3.7,1 ; 3.7,1 5.08,1 ; 3.7,1 5.08,1 ; 3.7,1 5.08,1 ; 3.7,1 5.08,1 ; 3.7,1 5.08,1 ; 3.7,1 5.08,1 ; 3.7,1 5.08,1 ; 3.7,1 5.08,1 ; 4.58,-1 5.08,-1 ; 4.58,-1 5.08,-1 ; 5.08,-1 5.08,-1 ; 5.08,-1 5.08,-1 ; 5.08,-1 5.08,-1 ; 5.08,-1 5.08,-1 ; 5.08,-1 6.7,-1 ; 5.08,-1 6.7,-1 ; 5.08,-1 5.08,-1 ; 5.08,-1 5.08,-1 ; 5.08,-1 5.08,-1 ; 5.08,-1 5.08,-1 ; 5.08,-1 6.7,-1 ; 5.08,-1 6.7,-1 ; 5.08,-1 5.08,-1 ; 5.08,-1 5.08,-1 ; 5.08,-1 5.08,-1 ; 5.08,-1 5.08,-1 ; 5.08,0 6.7,0 ; 5.08,0 6.7,0 ; 5.08,0 6.7,0 ; 5.08,0 6.7,0 ; 5.08,1 6.7,1 ; 5.08,1 6.7,1 ; 5.08,1 6.7,1 ; 5.08,1 6.7,1 ; 6.7,-1 6.7,0 ; 6.7,0 6.7,1
  Top Layer lines w1.7: -5.08,0 -4.58,-1 -3.81,-2.54 -2.54,-4.877 ; 2.54,-4.877 3.81,-2.54 4.58,-1 5.08,0
  Bottom Layer lines w1.1: -4.3,-1 -4.58,-1 ; 4.3,-1 4.58,-1 ; -6.7,-1 -6.7,-1 ; -6.7,-1 -6.7,-1 ; -6.7,-1 -6.7,-1 ; -6.7,-1 -6.7,-1 ; -6.7,-1 -5.08,-1 ; -6.7,-1 -5.08,-1 ; -6.7,-1 -5.08,-1 ; -6.7,-1 -5.08,-1 ; -6.7,-1 -6.7,0 ; -6.7,0 -5.08,0 ; -6.7,0 -5.08,0 ; -6.7,0 -5.08,0 ; -6.7,0 -5.08,0 ; -6.7,0 -6.7,1 ; -6.7,1 -5.08,1 ; -6.7,1 -5.08,1 ; -6.7,1 -5.08,1 ; -6.7,1 -5.08,1 ; -5.08,-1 -4.58,-1 ; -5.08,-1 -4.58,-1 ; -5.08,-1 -4.58,-1 ; -5.08,-1 -4.58,-1 ; -5.08,1 -5.08,1 ; -5.08,1 -5.08,1 ; -5.08,1 -5.08,1 ; -5.08,1 -5.08,1 ; -5.08,1 -3.7,1 ; -5.08,1 -3.7,1 ; -3.7,0 -3.7,0 ; -3.7,0 -3.7,-1.9 ; -3.7,0 -3.7,0 ; -3.7,0 -3.7,-1.9 ; -3.7,0 -3.7,0 ; -3.7,0 -3.7,-1.9 ; -3.7,0 -3.7,-1.9 ; -3.7,0 -3.7,0 ; -3.7,0 -3.7,-1.9 ; -3.7,0 -3.7,-1.9 ; -3.7,0 -3.7,-1.9 ; -3.7,0 -3.7,-1.9 ; -3.7,0 -3.7,1 ; 3.7,-1.9 3.7,0 ; 3.7,-1.9 3.7,0 ; 3.7,-1.9 3.7,0 ; 3.7,-1.9 3.7,0 ; 3.7,-1.9 3.7,0 ; 3.7,-1.9 3.7,0 ; 3.7,-1.9 3.7,0 ; 3.7,-1.9 3.7,0 ; 3.7,0 3.7,0 ; 3.7,0 3.7,0 ; 3.7,0 3.7,0 ; 3.7,0 3.7,0 ; 3.7,0 3.7,0 ; 3.7,0 3.7,0 ; 3.7,0 3.7,0 ; 3.7,0 3.7,0 ; 3.7,0 3.7,1 ; 3.7,1 5.08,1 ; 3.7,1 5.08,1 ; 3.7,1 5.08,1 ; 3.7,1 5.08,1 ; 3.7,1 5.08,1 ; 3.7,1 5.08,1 ; 3.7,1 5.08,1 ; 3.7,1 5.08,1 ; 4.58,-1 5.08,-1 ; 4.58,-1 5.08,-1 ; 5.08,-1 5.08,-1 ; 5.08,-1 5.08,-1 ; 5.08,-1 5.08,-1 ; 5.08,-1 5.08,-1 ; 5.08,-1 5.08,-1 ; 5.08,-1 6.7,-1 ; 5.08,-1 6.7,-1 ; 5.08,-1 5.08,-1 ; 5.08,-1 5.08,-1 ; 5.08,-1 6.7,-1 ; 5.08,-1 6.7,-1 ; 5.08,-1 5.08,-1 ; 5.08,-1 5.08,-1 ; 5.08,-1 5.08,-1 ; 5.08,-1 5.08,-1 ; 5.08,-1 5.08,-1 ; 5.08,0 6.7,0 ; 5.08,0 6.7,0 ; 5.08,0 6.7,0 ; 5.08,0 6.7,0 ; 5.08,1 6.7,1 ; 5.08,1 6.7,1 ; 5.08,1 6.7,1 ; 5.08,1 6.7,1 ; 6.7,-1 6.7,0 ; 6.7,0 6.7,1